# Altium PCB 控制盒基板.PcbDoc (part 7 of 8) (continued)
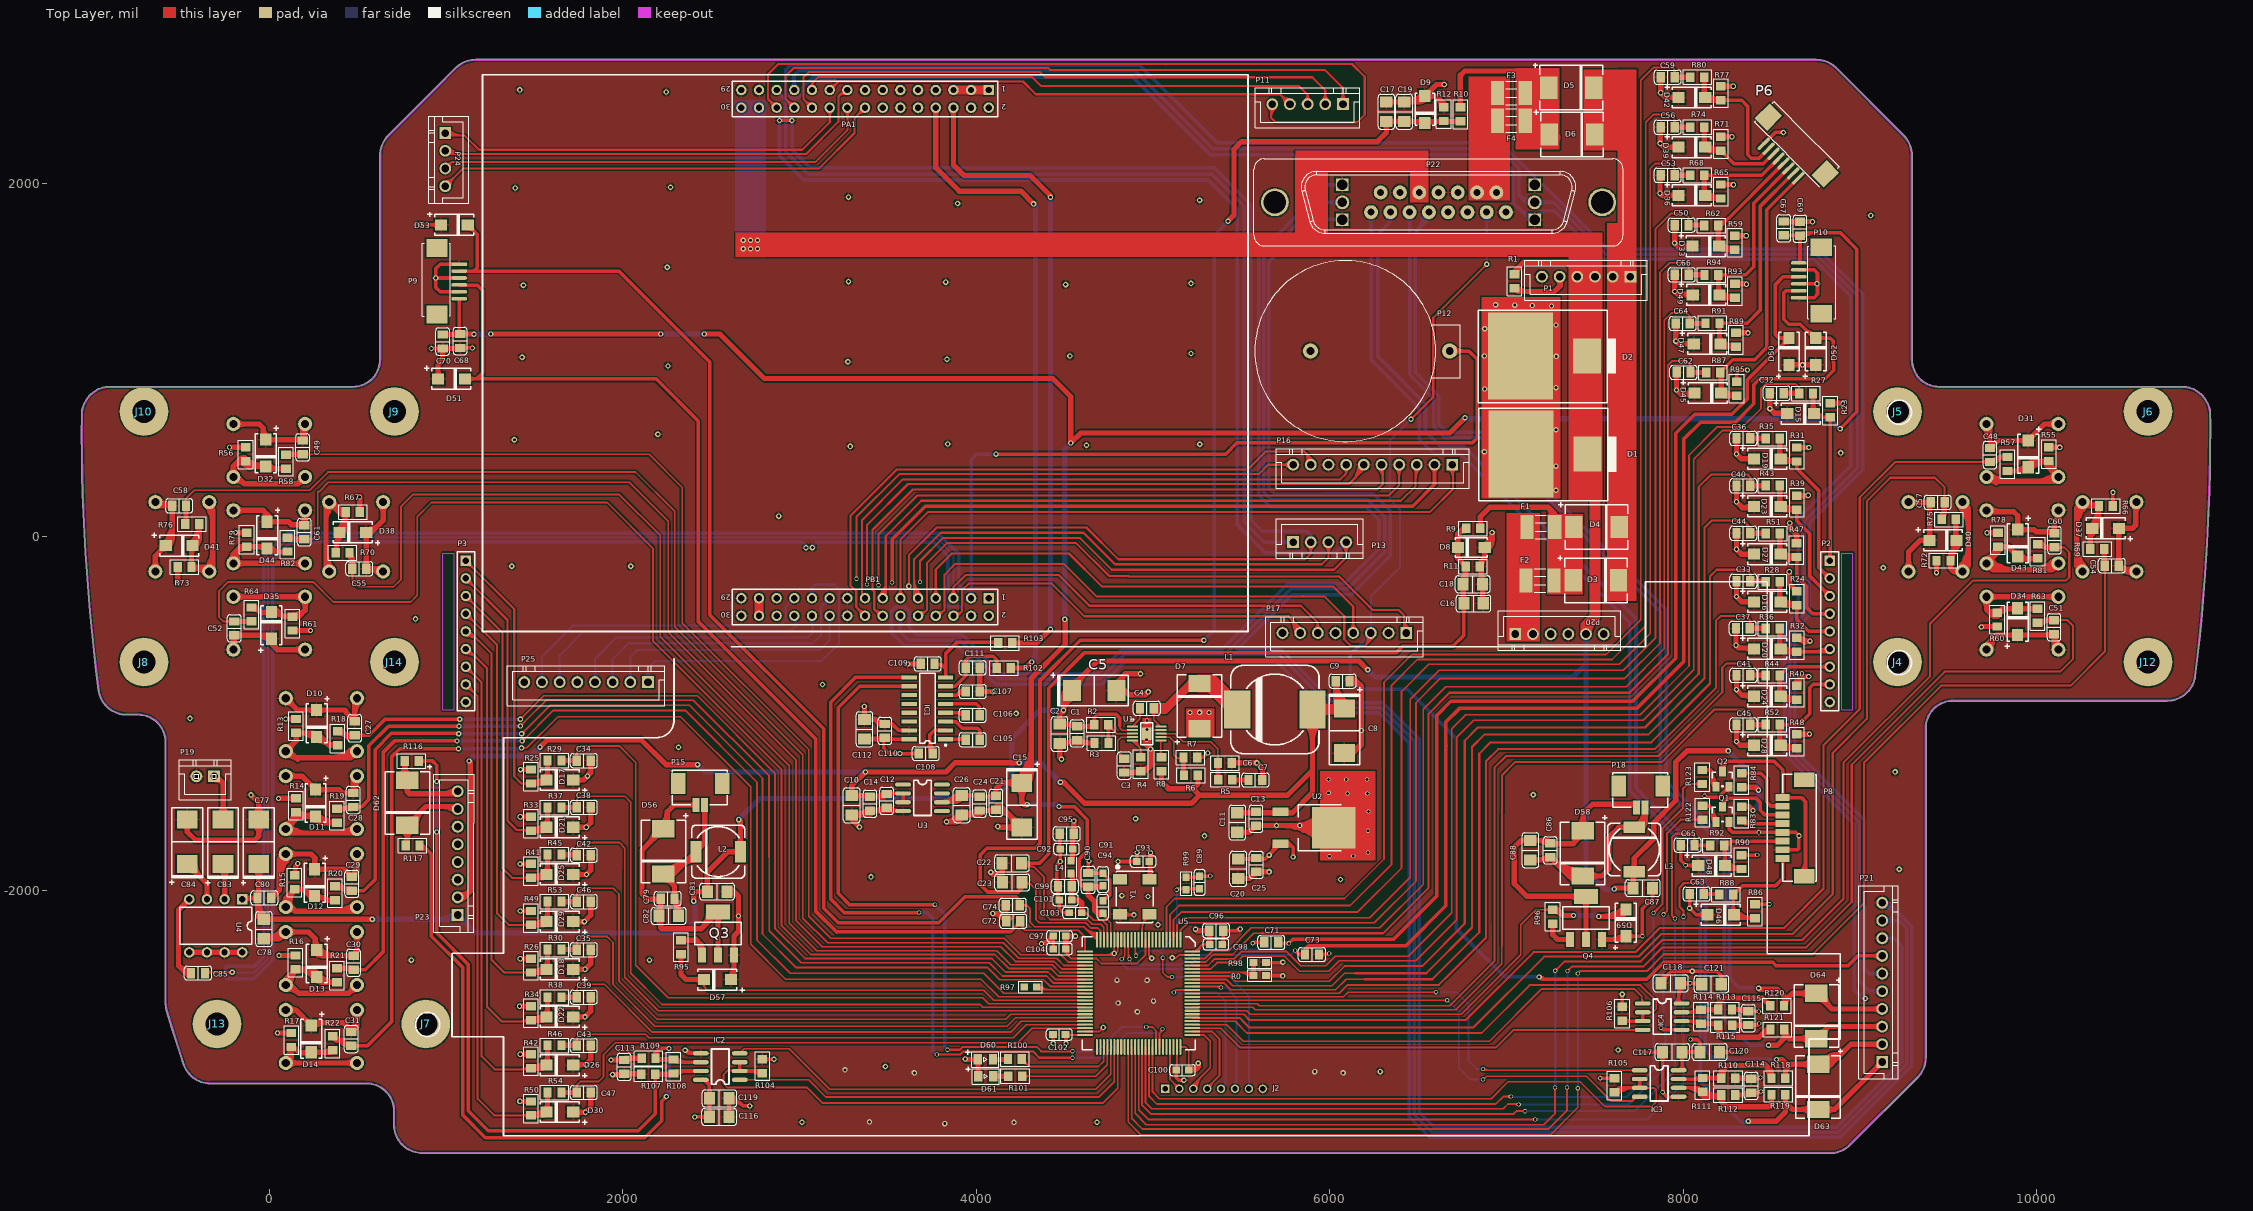
[diagram p0: Top Layer view]
## Nets (pads, with @x,y where several pads share a name; then routed paths per layer and width w, separated by ;. In a path a pad name is that pad's centre, name@x,y a point inside that pad or via, vN(x,y) a via of type N, cw(c..) or ccw(c..) an arc to the next point about the centre after c; other vN are vias at no path point) (continued)
; C23.1@4137.22,-1939.4 ccw(c4113.89,-1916.07) 4146.88,-1916.07 ; C23.1@4137.22,-1939.4 ccw(c4113.89,-1916.07) 4146.88,-1916.07 ; C23.1@4137.22,-1939.4 ccw(c4113.89,-1916.07) 4146.88,-1916.07 ; C23.1@4137.22,-1939.4 ccw(c4113.89,-1916.07) 4146.88,-1916.07 ; 4146.88,-1909 ccw(c4187.46,-1909) C23.1@4160.03,-1938.91 ; 4146.88,-1909 ccw(c4187.46,-1909) C23.1@4160.03,-1938.91 ; 4146.88,-1909 ccw(c4187.46,-1909) C23.1@4160.03,-1938.91 ; 4146.88,-1909 ccw(c4187.46,-1909) C23.1@4160.03,-1938.91 ; 4146.88,-1890.76 ccw(c4107.06,-1890.76) 4135.22,-1862.6 cw(c4107.06,-1890.76) 4146.88,-1890.76 ; 4146.88,-1890.76 cw(c4186.71,-1890.76) 4158.55,-1862.6 ccw(c4186.71,-1890.76) 4146.88,-1890.76 ; 4162.78,-1643.98 ccw(c4162.78,-1556.64) 4224.54,-1618.4 cw(c4162.78,-1556.64) 4162.78,-1643.98 ; 4162.78,-1643.98 cw(c4162.78,-1731.33) 4224.54,-1669.57 ccw(c4162.78,-1731.33) 4162.78,-1643.98 ; 4167.63,-2141.04 ccw(c4198.69,-2141.04) C72.2@4176.73,-2163 ; 4167.63,-2141.04 ccw(c4198.69,-2141.04) C72.2@4176.73,-2163 ; 4167.63,-2141.04 ccw(c4198.69,-2141.04) C72.2@4176.73,-2163 ; 4167.63,-2141.04 ccw(c4198.69,-2141.04) C72.2@4176.73,-2163 ; 4167.63,-2141.04 ccw(c4198.69,-2141.04) C72.2@4176.73,-2163 ; 4167.63,-2141.04 ccw(c4198.69,-2141.04) C72.2@4176.73,-2163 ; 4472,-1209.94 ccw(c4432.18,-1209.94) 4460.34,-1181.78 cw(c4432.18,-1209.94) 4472,-1209.94 ; 4472,-1209.94 cw(c4511.83,-1209.94) 4483.67,-1181.78 ccw(c4511.83,-1209.94) 4472,-1209.94 ; v1(4483,-1258) cw(c4509.55,-1231.45) 4472,-1231.45 ccw(c4509.55,-1231.45) v1(4483,-1258) ; 4844,-775 ccw(c4894.48,-825.48) 4827.12,-849.14 cw(c4894.48,-825.48) 4844,-775 ; 4844,-775 4792.98,-826.02 C5.2@4792.98,-869 4842,-869 4867,-894 4956,-894 v1(4973,-877) ; v2@4964,-1152.59 ccw(c4931.3,-1152.59) 4954.42,-1129.47 cw(c4931.3,-1152.59) v2@4964,-1152.59 ; v2@4964,-1152.59 cw(c4996.7,-1152.59) 4973.58,-1129.47 ccw(c4996.7,-1152.59) v2@4964,-1152.59 ; v1(4973,-877) cw(c4931.96,-835.96) 4931.96,-894 ccw(c4931.96,-835.96) v1(4973,-877) ; 4984.98,-1296.02 cw(c4934.94,-1245.98) 4934.94,-1316.75 ccw(c4934.94,-1245.98) 4984.98,-1296.02 ; 5521.76,-1671.12 ccw(c5521.76,-1710.94) 5493.6,-1682.78 cw(c5521.76,-1710.94) 5521.76,-1671.12 ; 5521.76,-1671.12 cw(c5521.76,-1631.29) 5493.6,-1659.45 ccw(c5521.76,-1631.29) 5521.76,-1671.12 ; 5526.76,-1933.12 ccw(c5526.76,-1972.94) 5498.6,-1944.78 cw(c5526.76,-1972.94) 5526.76,-1933.12 ; 5526.76,-1933.12 cw(c5526.76,-1893.29) 5498.6,-1921.45 ccw(c5526.76,-1893.29) 5526.76,-1933.12 ; v1(5831,-1633.72) ccw(c5877.35,-1618.28) 5855.49,-1661.97 cw(c5877.35,-1618.28) v1(5831,-1633.72) ; v1(5831,-1633.72) cw(c5803.78,-1597.04) 5797.09,-1642.22 ccw(c5803.78,-1597.04) v1(5831,-1633.72) ; 6179,-1177 cw(c6132.07,-1130.07) 6105.41,-1190.85 ccw(c6132.07,-1130.07) 6179,-1177 ; 6179,-1177 6179,-845 ; 6364.76,2460.31 ccw(c6364.76,2420.48) 6336.6,2448.64 cw(c6364.76,2420.48) 6364.76,2460.31 ; 6364.76,2460.31 cw(c6364.76,2500.13) 6336.6,2471.97 ccw(c6364.76,2500.13) 6364.76,2460.31 ; 6378.24,2460.31 ccw(c6378.24,2500.13) 6406.4,2471.97 cw(c6378.24,2500.13) 6378.24,2460.31 ; 6378.24,2460.31 cw(c6378.24,2420.48) 6406.4,2448.64 ccw(c6378.24,2420.48) 6378.24,2460.31 ; 6465.76,2460.31 ccw(c6465.76,2420.48) 6437.6,2448.64 cw(c6465.76,2420.48) 6465.76,2460.31 ; 6465.76,2460.31 cw(c6465.76,2500.13) 6437.6,2471.97 ccw(c6465.76,2500.13) 6465.76,2460.31 ; 6858,-140 cw(c6841.22,-140) 6846.6,-155.9 ccw(c6841.22,-140) 6858,-140 ; 6858,-140 6876.79,-121.21 D8.1@6876.79,-60 6919,-17.79 v1(6919,24) ; 6865.12,-311.76 ccw(c6825.29,-311.76) 6853.45,-283.6 cw(c6825.29,-311.76) 6865.12,-311.76 ; 6865.12,-311.76 cw(c6904.94,-311.76) 6876.78,-283.6 ccw(c6904.94,-311.76) 6865.12,-311.76 ; 6876.79,-99.82 ccw(c6836.96,-99.82) 6865.12,-71.66 cw(c6836.96,-99.82) 6876.79,-99.82 ; 6876.79,-99.82 cw(c6916.61,-99.82) 6888.45,-71.66 ccw(c6916.61,-99.82) 6876.79,-99.82 ; v1(6919,24) cw(c6844.35,24) 6873.34,-44.8 ccw(c6844.35,24) v1(6919,24) ; v3(7869,1944) ccw(c7897.97,1972.97) 7897.97,1932 cw(c7897.97,1972.97) v3(7869,1944) ; v3(7870,2226) ccw(c7920.7,2276.7) 7920.7,2205 cw(c7920.7,2276.7) v3(7870,2226) ; 7930.91,1932 ccw(c7930.91,1971.82) 7959.07,1943.66 cw(c7930.91,1971.82) 7930.91,1932 ; 7930.91,1932 cw(c7930.91,1892.17) 7959.07,1920.34 ccw(c7930.91,1892.17) 7930.91,1932 ; 7930.91,2205 ccw(c7930.91,2244.82) 7959.07,2216.66 cw(c7930.91,2244.82) 7930.91,2205 ; 7930.91,2205 cw(c7930.91,2165.17) 7959.07,2193.34 ccw(c7930.91,2165.17) 7930.91,2205 ; 7930.91,2486 ccw(c7930.91,2525.82) 7959.07,2497.66 cw(c7930.91,2525.82) 7930.91,2486 ; 7930.91,2486 cw(c7930.91,2446.17) 7959.07,2474.34 ccw(c7930.91,2446.17) 7930.91,2486 ; v3(7952.63,1388.37) ccw(c7992.15,1427.89) 7992.15,1372 cw(c7992.15,1427.89) v3(7952.63,1388.37) ; v3(7958.63,1107.37) ccw(c7995.74,1144.48) 7995.74,1092 cw(c7995.74,1144.48) v3(7958.63,1107.37) ; 8016.91,1092 ccw(c8016.91,1131.82) 8045.07,1103.66 cw(c8016.91,1131.82) 8016.91,1092 ; 8016.91,1092 cw(c8016.91,1052.17) 8045.07,1080.34 ccw(c8016.91,1052.17) 8016.91,1092 ; v3(8298.63,-613.63) ccw(c8335.74,-576.52) 8335.74,-629 cw(c8335.74,-576.52) v3(8298.63,-613.63) ; 8357.43,-1179 ccw(c8357.43,-1139.18) 8385.6,-1167.34 cw(c8357.43,-1139.18) 8357.43,-1179 ; 8357.43,-1179 cw(c8357.43,-1218.83) 8385.6,-1190.66 ccw(c8357.43,-1218.83) 8357.43,-1179 ; 8357.43,-368 ccw(c8357.43,-328.18) 8385.6,-356.34 cw(c8357.43,-328.18) 8357.43,-368 ; 8357.43,-368 cw(c8357.43,-407.83) 8385.6,-379.66 ccw(c8357.43,-407.83) 8357.43,-368 ; 8357.43,-98 ccw(c8357.43,-58.18) 8385.6,-86.34 cw(c8357.43,-58.18) 8357.43,-98 ; 8357.43,-98 cw(c8357.43,-137.83) 8385.6,-109.66 ccw(c8357.43,-137.83) 8357.43,-98 ; 8357.43,441 ccw(c8357.43,480.82) 8385.6,452.66 cw(c8357.43,480.82) 8357.43,441 ; 8357.43,441 cw(c8357.43,401.17) 8385.6,429.34 ccw(c8357.43,401.17) 8357.43,441 ; 8638.16,972.87 ccw(c8638.16,933.05) 8610,961.21 cw(c8638.16,933.05) 8638.16,972.87 ; 8638.16,972.87 cw(c8638.16,1012.7) 8610,984.54 ccw(c8638.16,1012.7) 8638.16,972.87 ; 8710.51,972.87 ccw(c8710.51,1012.7) 8738.67,984.54 cw(c8710.51,1012.7) 8710.51,972.87 ; 8710.51,972.87 cw(c8710.51,933.05) 8738.67,961.21 ccw(c8710.51,933.05) 8710.51,972.87 ; 9275.24,-136.1 ccw(c9335.59,-136.1) 9292.91,-178.78 cw(c9335.59,-136.1) 9275.24,-136.1 ; 9275.24,-136.1 cw(c9214.88,-136.1) 9257.56,-178.78 ccw(c9214.88,-136.1) 9275.24,-136.1 ; 9335.59,196.46 ccw(c9335.59,136.1) 9292.91,178.78 cw(c9335.59,136.1) 9335.59,196.46 ; 9335.59,196.46 cw(c9335.59,256.81) 9292.91,214.13 ccw(c9335.59,256.81) 9335.59,196.46 ; 9351.43,-20 ccw(c9351.43,19.82) 9379.6,-8.34 cw(c9351.43,19.82) 9351.43,-20 ; 9351.43,-20 cw(c9351.43,-59.83) 9379.6,-31.66 ccw(c9351.43,-59.83) 9351.43,-20 ; 9394.21,19.82 ccw(c9434.04,19.82) 9405.88,-8.34 cw(c9434.04,19.82) 9394.21,19.82 ; 9394.21,19.82 cw(c9354.39,19.82) 9382.55,-8.34 ccw(c9354.39,19.82) 9394.21,19.82 ; 9773.21,-555.79 ccw(c9849.88,-632.46) 9741.55,-637.12 cw(c9849.88,-632.46) 9773.21,-555.79 ; 9852.17,-555.79 ccw(c9852.17,-515.96) 9880.34,-544.12 cw(c9852.17,-515.96) 9852.17,-555.79 ; 9852.17,-555.79 cw(c9852.17,-595.61) 9880.34,-567.45 ccw(c9852.17,-595.61) 9852.17,-555.79 ; 9893,83.57 ccw(c9932.83,83.57) 9904.67,55.4 cw(c9932.83,83.57) 9893,83.57 ; 9893,83.57 cw(c9853.18,83.57) 9881.34,55.4 ccw(c9853.18,83.57) 9893,83.57 ; 9912.18,544.79 ccw(c9912.18,584.61) 9940.34,556.45 cw(c9912.18,584.61) 9912.18,544.79 ; 9912.18,544.79 cw(c9912.18,504.96) 9940.34,533.12 ccw(c9912.18,504.96) 9912.18,544.79 ; 9931.82,-555.79 ccw(c9931.82,-595.61) 9903.66,-567.45 cw(c9931.82,-595.61) 9931.82,-555.79 ; 9931.82,-555.79 cw(c9931.82,-515.96) 9903.66,-544.12 ccw(c9931.82,-515.96) 9931.82,-555.79 ; 9932.83,40.79 ccw(c9932.83,0.96) 9904.67,29.12 cw(c9932.83,0.96) 9932.83,40.79 ; 9932.83,40.79 cw(c9932.83,80.61) 9904.67,52.45 ccw(c9932.83,80.61) 9932.83,40.79 ; 10062.13,638.19 ccw(c10062.13,698.54) 10104.8,655.87 cw(c10062.13,698.54) 10062.13,638.19 ; 10062.13,638.19 cw(c10062.13,577.83) 10104.8,620.51 ccw(c10062.13,577.83) 10062.13,638.19 ; C60.2@10099,21.37 10099,71 10122.48,94.48 ; 10122.48,94.48 ccw(c10073.34,94.48) 10105.91,131.28 cw(c10073.34,94.48) 10122.48,94.48 ; 10122.48,94.48 cw(c10171.62,94.48) 10139.05,131.28 ccw(c10171.62,94.48) 10122.48,94.48 ; 10503.46,-196.46 ccw(c10503.46,-136.1) 10546.14,-178.78 cw(c10503.46,-136.1) 10503.46,-196.46 ; 10503.46,-196.46 cw(c10503.46,-256.81) 10546.14,-214.13 ccw(c10503.46,-256.81) 10503.46,-196.46 ; 10508.56,48 ccw(c10508.56,8.17) 10480.4,36.34 cw(c10508.56,8.17) 10508.56,48 ; 10508.56,48 cw(c10508.56,87.82) 10480.4,59.66 ccw(c10508.56,87.82) 10508.56,48 ; -618.99,-83.2 ccw(c-652.19,-50) -605.24,-50 cw(c-652.19,-50) -618.99,-83.2 ; D41.1@-611.86,-76.07 cw(c-588.74,-99.19) -588.74,-66.5 ccw(c-588.74,-99.19) D41.1@-611.86,-76.07 ; D41.1@-594.5,-38.34 ccw(c-703.45,70.61) -549.37,70.61 cw(c-703.45,70.61) D41.1@-594.5,-38.34 ; D41.1@-582.83,-33.5 ccw(c-582.83,-0.81) -559.71,-23.93 cw(c-582.83,-0.81) D41.1@-582.83,-33.5 ; D41.1@-573.29,-59.55 ccw(c-631.02,-1.81) -549.37,-1.81 cw(c-631.02,-1.81) D41.1@-573.29,-59.55 ; D41.1@-566.34,-50 cw(c-519.39,-50) -552.59,-16.8 ccw(c-519.39,-50) D41.1@-566.34,-50 ; S2.3@-220.63,-620.51 ccw(c-275.27,-565.87) -198,-565.87 cw(c-275.27,-565.87) S2.3@-220.63,-620.51 ; -198,-589.79 ccw(c-154.56,-589.79) -185.28,-620.51 cw(c-154.56,-589.79) -198,-589.79 ; -67.57,-557.37 cw(c-67.57,-653.41) 0.34,-585.5 ccw(c-67.57,-653.41) -67.57,-557.37 ; C78.1@-30,-2274.12 ccw(c-29.99,-2146.6) 73.43,-2221.2 cw(c-29.99,-2146.6) C78.1@-30,-2274.12 ; C80.1@12.37,-2028.47 ccw(c12.37,-1993.4) 37.17,-2018.2 cw(c12.37,-1993.4) C80.1@12.37,-2028.47 ; 28.64,-2274.12 ccw(c28.64,-2188.89) 97.76,-2238.75 cw(c28.64,-2188.89) 28.64,-2274.12 ; 56,-1873.83 cw(c172.65,-1873.83) 90.17,-1791.35 ccw(c172.65,-1873.83) 56,-1873.83 ; 151.61,549.79 cw(c151.61,513.89) 177,539.27 ccw(c151.61,513.89) 151.61,549.79 ; 162.52,69 cw(c162.52,35.79) 186,59.27 ccw(c162.52,35.79) 162.52,69 ; S2.9@185.27,132.32 cw(c154.55,101.6) 198,101.6 ccw(c154.55,101.6) S2.9@185.27,132.32 ; C49.2@189,544.33 cw(c296.56,544.33) 220.61,620.49 ccw(c296.56,544.33) C49.2@189,544.33 ; C61.2@198,77.69 cw(c275.26,77.69) 220.63,132.32 ccw(c275.26,77.69) C61.2@198,77.69 ; 204.8,-2731.01 ccw(c238,-2697.81) 238,-2744.76 cw(c238,-2697.81) 204.8,-2731.01 ; D14.1@211.93,-2738.14 cw(c188.81,-2761.26) 221.5,-2761.26 ccw(c188.81,-2761.26) D14.1@211.93,-2738.14 ; 228.8,-1397.01 ccw(c262,-1363.81) 262,-1410.76 cw(c262,-1363.81) 228.8,-1397.01 ; D11.1@235.93,-1404.14 cw(c212.81,-1427.26) 245.5,-1427.26 ccw(c212.81,-1427.26) D11.1@235.93,-1404.14 ; D14.1@249.67,-2772.92 cw(c305.01,-2828.27) 305.01,-2750 ccw(c305.01,-2828.27) D14.1@249.67,-2772.92 ; D13.1@259.45,-2350.71 ccw(c307.53,-2302.63) 307.53,-2370.63 cw(c307.53,-2302.63) D13.1@259.45,-2350.71 ; 260,-2273.71 ccw(c330.55,-2273.71) 280.67,-2323.6 cw(c330.55,-2273.71) 260,-2273.71 ; D13.1@280.67,-2329.5 ccw(c379.96,-2230.2) 379.96,-2370.63 cw(c379.96,-2230.2) D13.1@280.67,-2329.5 ; D13.1@285.5,-2341.17 ccw(c318.19,-2341.17) 295.07,-2364.28 cw(c318.19,-2341.17) D13.1@285.5,-2341.17 ; 431.68,-2758.68 cw(c388.74,-2801.63) 449.47,-2801.63 ccw(c388.74,-2801.63) 431.68,-2758.68 ; 443.2,-1898.83 cw(c418.4,-1923.63) 453.47,-1923.63 ccw(c418.4,-1923.63) 443.2,-1898.83 ; 459.2,-1018.83 cw(c434.4,-1043.63) 469.47,-1043.63 ccw(c434.4,-1043.63) 459.2,-1018.83 ; C31.2@463.81,-2795.53 ccw(c384.04,-2715.77) 496.85,-2715.77 cw(c384.04,-2715.77) C31.2@463.81,-2795.53 ; C29.2@467.81,-1917.53 ccw(c397.7,-1847.42) 496.85,-1847.42 cw(c397.7,-1847.42) C29.2@467.81,-1917.53 ; C28.2@475,-1452.09 cw(c576.24,-1452.09) 512.57,-1373.38 ccw(c576.24,-1452.09) C28.2@475,-1452.09 ; 475,-1389.24 cw(c525.4,-1389.24) 493.71,-1350.05 ccw(c525.4,-1389.24) 475,-1389.24 ; K_H5.1@475.92,-2690.44 cw(c408.49,-2734.44) 486.26,-2755.28 ccw(c408.49,-2734.44) K_H5.1@475.92,-2690.44 ; C30.2@476.81,-2364.53 ccw(c428.43,-2316.15) 496.85,-2316.15 cw(c428.43,-2316.15) C30.2@476.81,-2364.53 ; C31.2@478.53,-2801.63 cw(c513.6,-2801.63) 488.8,-2776.83 ccw(c513.6,-2801.63) C31.2@478.53,-2801.63 ; C29.2@482.53,-1923.63 cw(c517.6,-1923.63) 492.8,-1898.83 ccw(c517.6,-1923.63) C29.2@482.53,-1923.63 ; 484,-1004.37 cw(c588.23,-1004.37) 514.53,-930.67 ccw(c588.23,-1004.37) 484,-1004.37 ; D38.1@551.74,41.5 ccw(c551.74,139.89) 621.31,70.31 cw(c551.74,139.89) D38.1@551.74,41.5 ; D51.1@943.55,905.66 ccw(c915.9,933.31) 955,933.31 cw(c915.9,933.31) D51.1@943.55,905.66 ; 955,934.34 ccw(c995.55,934.34) 966.88,905.66 cw(c995.55,934.34) 955,934.34 ; 1046.04,1065.63 ccw(c1046.04,1096.69) 1068,1074.73 cw(c1046.04,1096.69) 1046.04,1065.63 ; D30.1@1734.93,-3265.66 cw(c1758.26,-3289) 1758.26,-3256 ccw(c1758.26,-3289) D30.1@1734.93,-3265.66 ; D30.1@1734.93,-3242.34 ccw(c1767.92,-3209.35) 1767.92,-3256 cw(c1767.92,-3209.35) D30.1@1734.93,-3242.34 ; D26.1@1734.93,-3000.66 cw(c1770.34,-3036.07) 1770.34,-2986 ccw(c1770.34,-3036.07) D26.1@1734.93,-3000.66 ; D26.1@1734.93,-2977.34 ccw(c1755.85,-2956.42) 1755.85,-2986 cw(c1755.85,-2956.42) D26.1@1734.93,-2977.34 ; v3(1800.97,-1354.03) ccw(c1756.53,-1309.6) 1819.37,-1309.6 cw(c1756.53,-1309.6) v3(1800.97,-1354.03) ; 1970.14,-3043 ccw(c1970.14,-3006.38) 1996.04,-3032.27 cw(c1970.14,-3006.38) 1970.14,-3043 ; 2080.92,-3038.37 cw(c2080.92,-3064.75) 2099.57,-3046.1 ccw(c2080.92,-3064.75) 2080.92,-3038.37 ; D57.1@2603.07,-2493.34 ccw(c2539.16,-2429.42) 2629.55,-2429.42 cw(c2539.16,-2429.42) D57.1@2603.07,-2493.34 ; C10.1@3312.49,-1574.12 ccw(c3312.49,-1468.81) 3386.96,-1543.27 cw(c3312.49,-1468.81) C10.1@3312.49,-1574.12 ; C112.1@3383.6,-1045.55 cw(c3416.31,-1078.25) 3416.31,-1032 ccw(c3416.31,-1078.25) C112.1@3383.6,-1045.55 ; C112.1@3383.6,-1022.22 ccw(c3407.22,-998.6) 3407.22,-1032 cw(c3407.22,-998.6) C112.1@3383.6,-1022.22 ; 3384.92,-1574.12 ccw(c3384.92,-1541.23) 3408.17,-1564.49 cw(c3384.92,-1541.23) 3384.92,-1574.12 ; C14.1@3427.61,-1549.37 ccw(c3427.61,-1473.93) 3480.96,-1527.27 cw(c3427.61,-1473.93) C14.1@3427.61,-1549.37 ; 3876.46,-1612 ccw(c3876.46,-1557.95) 3926.59,-1578.17 cw(c3876.46,-1557.95) 3876.46,-1612 ; 3883.12,-1608 ccw(c3848.24,-1573.12) 3897.57,-1573.12 cw(c3848.24,-1573.12) 3883.12,-1608 ; C26.1@3892.62,-1598.49 cw(c3914.06,-1619.93) 3914.06,-1589.61 ccw(c3914.06,-1619.93) C26.1@3892.62,-1598.49 ; C26.1@3932.49,-1573.12 ccw(c3932.49,-1467.81) 4006.96,-1542.27 cw(c3932.49,-1467.81) C26.1@3932.49,-1573.12 ; 4004.92,-1573.12 ccw(c4004.92,-1540.24) 4028.17,-1563.49 cw(c4004.92,-1540.24) 4004.92,-1573.12 ; 4073.17,-1548.37 ccw(c4073.17,-1510.48) 4099.96,-1537.27 cw(c4073.17,-1510.48) 4073.17,-1548.37 ; C21.1@4117.87,-1551.99 cw(c4117.87,-1668.22) 4200.05,-1586.03 ccw(c4117.87,-1668.22) C21.1@4117.87,-1551.99 ; C21.1@4117.87,-1521.99 cw(c4117.87,-1565.79) 4148.84,-1534.82 ccw(c4117.87,-1565.79) C21.1@4117.87,-1521.99 ; C21.1@4123.96,-1549.47 cw(c4143.51,-1569.01) 4143.51,-1541.37 ccw(c4143.51,-1569.01) C21.1@4123.96,-1549.47 ; 4144.63,-2132 cw(c4144.63,-2182.74) 4189.56,-2159.16 ccw(c4144.63,-2182.74) 4144.63,-2132 ; 4146.88,-1906.41 ccw(c4193.54,-1906.41) 4160.55,-1939.4 cw(c4193.54,-1906.41) 4146.88,-1906.41 ; 4182.79,-1568.78 cw(c4107.59,-1643.98) 4213.95,-1643.98 ccw(c4107.59,-1643.98) 4182.79,-1568.78 ; 4201.8,-1587.79 ccw(c4250.13,-1539.46) 4250.13,-1607.8 cw(c4250.13,-1539.46) 4201.8,-1587.79 ; C2.1@4487.6,-1181.78 cw(c4525.7,-1219.88) 4525.7,-1166 ccw(c4525.7,-1219.88) C2.1@4487.6,-1181.78 ; 4508.96,-1166 ccw(c4508.96,-1095.24) 4559,-1145.27 cw(c4508.96,-1095.24) 4508.96,-1166 ; C1.1@4583,-1145.27 ccw(c4633.04,-1095.24) 4633.04,-1166 cw(c4633.04,-1095.24) C1.1@4583,-1145.27 ; C5.2@4798.82,-859.08 cw(c4844.57,-843.01) 4810.28,-808.72 ccw(c4844.57,-843.01) C5.2@4798.82,-859.08 ; 4886.93,-1333.37 ccw(c4886.93,-1285.24) 4920.97,-1319.27 cw(c4886.93,-1285.24) 4886.93,-1333.37 ; 5558.2,-1658.52 ccw(c5533.4,-1633.72) 5568.47,-1633.72 cw(c5533.4,-1633.72) 5558.2,-1658.52 ; 5560.2,-1920.52 ccw(c5535.4,-1895.72) 5570.47,-1895.72 cw(c5535.4,-1895.72) 5560.2,-1920.52 ; 5739.67,-1633.72 cw(c5739.67,-1924.59) 5945.35,-1718.91 ccw(c5739.67,-1924.59) 5739.67,-1633.72 ; 5798.99,-1633.72 ccw(c5798.99,-1426.73) 5945.35,-1573.09 cw(c5798.99,-1426.73) 5798.99,-1633.72 ; 5812.1,-1633.72 cw(c5812.1,-1852.16) 5966.56,-1697.7 ccw(c5812.1,-1852.16) 5812.1,-1633.72 ; 5871.41,-1633.72 ccw(c5871.41,-1499.15) 5966.56,-1594.3 cw(c5871.41,-1499.15) 5871.41,-1633.72 ; 5884.53,-1633.72 cw(c5884.53,-1779.74) 5987.78,-1676.48 ccw(c5884.53,-1779.74) 5884.53,-1633.72 ; C8.2@6093.36,-1218.32 ccw(c6113.14,-1173.24) 6147.95,-1208.05 cw(c6113.14,-1173.24) C8.2@6093.36,-1218.32 ; C19.1@6424.48,2460.31 ccw(c6424.48,2604.36) 6526.34,2502.5 cw(c6424.48,2604.36) C19.1@6424.48,2460.31 ; C19.1@6434.19,2474.59 ccw(c6453.45,2507.96) 6463.42,2470.74 cw(c6453.45,2507.96) C19.1@6434.19,2474.59 ; C19.1@6440.22,2452.06 cw(c6475.83,2431.5) 6465.19,2471.22 ccw(c6475.83,2431.5) C19.1@6440.22,2452.06 ; 6496.9,2460.31 ccw(c6496.9,2531.93) 6547.55,2481.29 cw(c6496.9,2531.93) 6496.9,2460.31 ; 6504.8,2460.59 cw(c6538,2427.39) 6538,2474.34 ccw(c6538,2427.39) 6504.8,2460.59 ; D9.1@6511.93,2467.72 ccw(c6488.81,2490.83) 6521.5,2490.83 cw(c6488.81,2490.83) D9.1@6511.93,2467.72 ; D9.1@6538,2513.24 ccw(c6538,2560.19) 6571.2,2526.99 cw(c6538,2560.19) D9.1@6538,2513.24 ; D9.1@6549.67,2479.17 cw(c6578.22,2450.61) 6578.22,2491 ccw(c6578.22,2450.61) D9.1@6549.67,2479.17 ; D9.1@6549.67,2502.5 ccw(c6577.43,2530.26) 6577.43,2491 cw(c6577.43,2530.26) D9.1@6549.67,2502.5 ; D9.1@6554.5,2496.74 cw(c6587.19,2496.74) 6564.07,2519.86 ccw(c6587.19,2496.74) D9.1@6554.5,2496.74 ; 6608.27,2489.73 cw(c6549.9,2431.37) 6632.44,2431.37 ccw(c6549.9,2431.37) 6608.27,2489.73 ; R11.2@6843.27,-178.03 cw(c6807.72,-213.59) 6858,-213.59 ccw(c6807.72,-213.59) R11.2@6843.27,-178.03 ; 6858,-207.05 ccw(c6922.13,-207.05) 6876.78,-252.4 cw(c6922.13,-207.05) 6858,-207.05 ; R11.2@6857.99,-164.06 cw(c6916.07,-164.06) 6875,-123 ccw(c6916.07,-164.06) R11.2@6857.99,-164.06 ; 6865.12,-323.58 ccw(c6918.6,-323.58) 6880.78,-361.4 cw(c6918.6,-323.58) 6865.12,-323.58 ; D8.1@6879.74,-43.5 ccw(c6879.74,-10.81) 6902.86,-33.93 cw(c6879.74,-10.81) D8.1@6879.74,-43.5 ; D8.1@6884.98,-72.44 ccw(c6863.39,-21.2) 6919,-21.2 cw(c6863.39,-21.2) D8.1@6884.98,-72.44 ; D8.1@6896.24,-60 cw(c6943.19,-60) 6909.99,-26.8 ccw(c6943.19,-60) D8.1@6896.24,-60 ; 7599.22,-2278.05 ccw(c7599.22,-2185.96) 7664.34,-2251.07 cw(c7599.22,-2185.96) 7599.22,-2278.05 ; 7869,2010.51 cw(c7902.21,2010.51) 7878.73,2034 ccw(c7902.21,2010.51) 7869,2010.51 ; 7870,2284.93 cw(c7899.79,2284.93) 7878.73,2306 ccw(c7899.79,2284.93) 7870,2284.93 ; 7995.42,1639 ccw(c7995.42,1699.31) 8038.07,1656.66 cw(c7995.42,1699.31) 7995.42,1639 ; 8003.66,1372 cw(c8003.66,1321.93) 8039.07,1357.34 ccw(c8003.66,1321.93) 8003.66,1372 ; 8004.01,807 ccw(c8004.01,870.72) 8049.07,825.66 cw(c8004.01,870.72) 8004.01,807 ; 8018.15,1372 ccw(c8018.15,1401.58) 8039.07,1380.66 cw(c8018.15,1401.58) 8018.15,1372 ; 8319.03,-2674 cw(c8319.03,-2727.69) 8357,-2689.73 ccw(c8319.03,-2727.69) 8319.03,-2674 ; 8340.54,165 ccw(c8340.54,228.72) 8385.6,183.66 cw(c8340.54,228.72) 8340.54,165 ; 8345.36,-897 cw(c8345.36,-953.9) 8385.6,-913.66 ccw(c8345.36,-953.9) 8345.36,-897 ; 8345.36,-629 cw(c8345.36,-685.9) 8385.6,-645.66 ccw(c8345.36,-685.9) 8345.36,-629 ; 8349.52,-3063 cw(c8349.52,-3096.21) 8373,-3072.73 ccw(c8349.52,-3096.21) 8349.52,-3063 ; 8539.19,700 cw(c8539.19,649.93) 8574.6,685.34 ccw(c8539.19,649.93) 8539.19,700 ; 8553.68,700 ccw(c8553.68,729.58) 8574.6,708.66 cw(c8553.68,729.58) 8553.68,700 ; C67.2@8581.34,1790.5 ccw(c8600.07,1809.22) 8600.07,1782.74 cw(c8600.07,1809.22) C67.2@8581.34,1790.5 ; 8630.27,1784.4 cw(c8630.27,1757.92) 8649,1776.64 ccw(c8630.27,1757.92) 8630.27,1784.4 ; C69.2@8673,1776.64 cw(c8691.73,1757.92) 8691.73,1784.4 ccw(c8691.73,1757.92) C69.2@8673,1776.64 ; 9376.3,196.46 cw(c9376.3,170.67) 9394.53,188.9 ccw(c9376.3,170.67) 9376.3,196.46 ; 9394.21,152.79 cw(c9436.93,152.79) 9406.73,183 ccw(c9436.93,152.79) 9394.21,152.79 ; S1.1@9698.9,620.51 cw(c9609.32,530.94) 9736,530.94 ccw(c9609.32,530.94) S1.1@9698.9,620.51 ; S1.9@9734.25,132.32 cw(c9757.62,108.96) 9757.62,142 ccw(c9757.62,108.96) S1.9@9734.25,132.32 ; S1.9@9734.25,167.68 ccw(c9796.24,229.67) 9796.24,142 cw(c9796.24,229.67) S1.9@9734.25,167.68 ; C48.2@9750.53,502.37 cw(c9777.47,502.37) 9758.42,521.42 ccw(c9777.47,502.37) C48.2@9750.53,502.37 ; D31.1@9952,564.24 ccw(c9952,611.19) 9985.2,577.99 cw(c9952,611.19) D31.1@9952,564.24 ; D31.1@9968.5,547.74 cw(c10001.19,547.74) 9978.07,570.86 ccw(c10001.19,547.74) D31.1@9968.5,547.74 ; 10053.44,28 cw(c10053.44,-22.28) 10089,13.27 ccw(c10053.44,-22.28) 10053.44,28 ; 10058.2,-555.79 ccw(c10058.2,-516.48) 10086,-544.27 cw(c10058.2,-516.48) 10058.2,-555.79 ; 10098,-603.62 ccw(c10143.42,-603.62) 10119.89,-642.47 cw(c10143.42,-603.62) 10098,-603.62 ; C51.2@10098,-550.37 ccw(c10175.66,-550.37) 10135.43,-616.8 cw(c10175.66,-550.37) C51.2@10098,-550.37 ; 10099,45.01 ccw(c10126.65,45.01) 10107.1,25.47 cw(c10126.65,45.01) 10099,45.01 ; D37.1@10454.12,36.34 cw(c10429.38,11.59) 10464.37,11.59 ccw(c10429.38,11.59) D37.1@10454.12,36.34 ; C54.2@10464.37,-177.53 cw(c10464.37,-212.6) 10489.17,-187.8 ccw(c10464.37,-212.6) C54.2@10464.37,-177.53 ; 10464.37,4.76 cw(c10509.03,4.76) 10477.45,36.34 ccw(c10509.03,4.76) 10464.37,4.76 ; C54.2@10470.47,-162.81 ccw(c10551.7,-81.58) 10551.7,-196.46 cw(c10551.7,-81.58) C54.2@10470.47,-162.81 ; 10499.51,-182.47 ccw(c10516.56,-118.86) 10550.81,-175.11 cw(c10516.56,-118.86) 10499.51,-182.47 ; 10512.02,-185.83 cw(c10499.17,-233.78) 10542.17,-208.96 ccw(c10499.17,-233.78) 10512.02,-185.83 ; S1.7@10546.14,178.78 cw(c10512.68,145.32) 10560,145.32 ccw(c10512.68,145.32) S1.7@10546.14,178.78 ; 10560,126.88 cw(c10633.39,126.88) 10581.5,178.78 ccw(c10633.39,126.88) 10560,126.88
  Bottom Layer w20: v1(2887,2356) 2887,2157 3025,2019 5312,2019 5478,1853 5478,67 5636,-91 6031.87,-91 P13.4@6092.87,-30 ; v1(2957,2356) 2958,2355 2958,2191 3062,2087 5346,2087 5554,1879 5554,97 5619,32 5870,32 ; 3020.69,-34.69 cw(c2993.37,-62) v1@3032,-62 ; v1(3037,-62) 3037,-51 3013,-27 124.94,-27 21,-130.94 21,-1465.64 20.63,-1466.01 20.63,-2392.31 -88.06,-2501 -236,-2501 -250,-2487 -250,-2484 -247,-2481 -247,-2434 -241.53,-2428.53 -83.47,-2428.53 -31,-2376.06 -31,-113 103,21 3783,21 3900,-96 3900,-271 3923.47,-294.47 3923.47,-387.53 3915,-396 3835,-396 3823,-384 3823,-293 3839,-277 3839,-106 3763,-30 3094,-30 3073,-51 v1(3073,-61) ; v1@3078,-61 cw(c3114.21,-61) 3088.61,-35.39 ; 3521,-513 3521,-529 ; P13.2@5873.86,-16.25 ccw(c5843.61,5.61) 5870,32 ; 5874.69,27.31 cw(c5833.77,-13.61) P13.2@5889.53,-29.07 ; P13.2@5881.82,-9.3 ccw(c5871.98,9.13) 5892.87,9.13 ; 5886.6,15.4 cw(c5862.88,-8.32) P13.2@5890.06,-27.97 ; P13.2@5892.87,-30 5892.87,9.13 ; 5898.94,3.06 cw(c5871.74,-24.14) P13.2@5908.81,-34.42 ; P13.2@5903.92,-9.3 cw(c5913.76,9.13) 5892.87,9.13 ; P22.19@6071.57,1794.24 6067.8,1798 5897,1798 5654,1555 5654,277 5689,242 5966,242 5968,244 6246,244 6342,148 6342,-108 6324,-126 6322,-126 6121,-327 5786.6,-327 5476.6,-637 5722.6,-637 6023.6,-938 6300.6,-938 6506,-1143.4 6506,-3255 6591,-3340 8867.4,-3340 9236,-2971.4 9236,-2316 9191,-2271 P21.8@9126,-2271 ; P22.19@6071.57,1991.09 5988.09,1991.09 5598,1601 5598,236 5663.5,170.5 6203.5,170.5 6277,97 6277,-71 6082,-266 5762,-266 5391,-637 4827.4,-637 4690.4,-774 4140,-774 3921,-555 3662,-555 3622,-515 3622,-424 3597.47,-399.47 3540.53,-399.47 3520,-420 3520,-528 3521,-529 ; 7101.12,1835.38 cw(c7079.12,1753.26) P22.17@7154.91,1791.77 ; P22.17@7134.74,1789.65 ccw(c7106.94,1784.56) 7114.25,1811.86 ccw(c7125.37,1853.36) P22.17@7146.97,1816.22 ; P22.17@7146.74,2012.94 ccw(c7133.09,2035.84) 7159.75,2035.84 ; P22.17@7172.77,2012.94 cw(c7186.42,2035.84) 7159.75,2035.84 ; P22.17@7180.03,1975.73 cw(c7210.91,1952.35) 7210.91,1991.09 ; P22.17@7180.03,2006.44 ccw(c7210.91,2029.82) 7210.91,1991.09 ; P22.17@7185.19,1794.24 cw(c7246.59,1794.24) 7203.17,1837.65 cw(c7159.75,1881.07) P22.17@7159.75,1819.67 ; 9008.33,-2601.19 cw(c9000.94,-2628.78) v1@9025.67,-2614.5 ; v1(9030,-2612) 9017,-2612 8969,-2564 8969,-1625.6 8574,-1230.6 8574,-504.4 8652,-426.4 8652,105 8948.7,401.7 8948.7,1361.7 8740.4,1570 7545,1570 7271,1844 7209.52,1844 P22.17@7159.75,1794.24 7134.76,1794.24 7040,1889 7040,2065 6942,2163 5324,2163 4888,2599 3074.79,2599 3018.53,2542.74 3018.53,2508.31 2990.69,2480.47 2951.31,2480.47 2923.47,2508.31 2923.47,2642.47 2949,2668 4924,2668 5362,2230 6965.6,2230 7159.75,2035.84 ; P21.6@9126,-2471 9051,-2471 9025,-2445 9025,-1602.4 8630,-1207.4 8630,-527.6 8712,-445.6 8712,76.4 9015,379.4 9015,1374.6 8763.6,1626 7573.6,1626 7232,1967.6 7232,1970 7210.91,1991.09 ; P21.10@9126,-2071 9159.6,-2071 ; P21.10@9129,-2069.27 ccw(c9203.26,-2026.39) 9181.07,-2109.22 ; P21.10@9137.73,-2091.32 cw(c9160.34,-2130.49) 9172.05,-2086.8 ; P21.10@9147.86,-2062.46 ccw(c9187.29,-2047.06) 9176.33,-2087.95 ; P21.10@9148.03,-2079.08 cw(c9159.6,-2083.32) 9159.6,-2071 ; P21.10@9148.03,-2062.92 ccw(c9159.6,-2058.68) 9159.6,-2071 ; 3521,-529 3521,-543 3595,-617 3891,-617 4107,-833 4713,-833 4842,-704 5698,-704 5990.3,-996.3 6279.7,-996.3 6450,-1166.6 6450,-3280.6 6566.4,-3397 8889.6,-3397 9292,-2994.6 9292,-2203.4 9159.6,-2071 ; 5870,32 5892.87,9.13 ; 6010.17,1991.09 ccw(c6010.17,2052.49) 6053.58,2009.07 cw(c6010.17,2052.49) 6010.17,1991.09 ; 6010.17,1991.09 cw(c6010.17,1929.68) 6053.58,1973.1 ccw(c6010.17,1929.68) 6010.17,1991.09 ; 6052.82,-70.06 ccw(c6012.76,-30) 6069.41,-30 cw(c6012.76,-30) 6052.82,-70.06 ; 6052.82,-70.06 cw(c6092.87,-110.11) 6092.87,-53.46 ccw(c6092.87,-110.11) 6052.82,-70.06 ; P22.17@7159.75,1819.67 cw(c7159.75,1941.4) 7073.68,1855.32 ccw(c7159.75,1941.4) P22.17@7159.75,1819.67 ; 7159.75,2035.84 P22.17@7159.75,1991.09 7210.91,1991.09 ; 9069.35,-2471 ccw(c9069.35,-2414.35) 9109.41,-2454.41 cw(c9069.35,-2414.35) 9069.35,-2471 ; 9069.35,-2471 cw(c9069.35,-2527.65) 9109.41,-2487.59 ccw(c9069.35,-2527.65) 9069.35,-2471 ; 9182.65,-2271 ccw(c9182.65,-2327.65) 9142.59,-2287.59 cw(c9182.65,-2327.65) 9182.65,-2271 ; 9182.65,-2271 cw(c9182.65,-2214.35) 9142.59,-2254.41 ccw(c9182.65,-2214.35) 9182.65,-2271 ; 6001.08,1798 cw(c6001.08,1723.75) 6053.58,1776.25 ccw(c6001.08,1723.75) 6001.08,1798 ; 6019.26,1798 ccw(c6019.26,1846.55) 6053.58,1812.22 cw(c6019.26,1846.55) 6019.26,1798 ; 7107.82,1821.18 ccw(c7159.75,1873.12) 7159.75,1799.67 cw(c7159.75,1873.12) 7107.82,1821.18 ; 8999.27,-2594.27 ccw(c9030,-2563.54) 9030,-2607 cw(c9030,-2563.54) 8999.27,-2594.27 ; P21.10@9126,-2094.46 cw(c9126,-2232.23) 9223.41,-2134.81 ccw(c9126,-2232.22) P21.10@9126,-2094.46 ; P21.10@9126,-2074.46 cw(c9126,-2163.94) 9189.27,-2100.67 ccw(c9126,-2163.94) P21.10@9126,-2074.46
  other v1: 3822,-3320 4214,-3313 3014,-3312 4683,-3312 3396,-3310 3650,-3033 6076,-3033 5915,-3026 6286,-3026 3258,-3016 3486,-2997 7632,-2903 4912,-2687 4803,-2637 5003,-2627 4967,-2509 4797,-2508 8051,-2458 804,-2395 2152,-2395 5029,-2195 4972,-2035 4824,-2030 6061,-1939 3405,-1924 9222,-1881 4802.57,-1837 5292,-1692 4122,-1639 5699,-1633.72 4902,-1595 7152,-1459 9199,-1330 2316,-1191 6179,-1096 -448,-1027 4226,-999 5210,-994 5317,-994 5264,-993 3130,-835 827,-464 9132,-175 1372,-166 2045,-166 2883,117 7280,264 7280,400 8891,475 6875,481 3287,512 4624,518 5265,524 3839,525 1387,549 2199,580 7280,606 6877,836 7280,844 2256,967 3274,991 3835,1005 1431,1016 7282,1021 4530,1023 6875,1023 5215,1037 6877,1177 7280,1198 7255,1306 7146,1309 7047,1311 6939,1313 1438,1423 4506,1427 5215,1434 3828,1441 3277,1444 2252,1525 9061,1818 3895,1886 5264,1904 3277,1922 1392,1974 2270,1978 2246,2517 1417,2529
  other v2: 5999,-1807 6133,-1806 6216,-1786 6216,-1663 6219,-1554 6101,-1452 6213,-1452 5994,-1448 5993,-1373 6094,-1373 6211,-1373 4964,-1148 4966,-1090 4966,-1040
  other v3: 2655,-2145 8675,972.87
SPEAKER_OUT: C83.2 P19.1 | length 662.3
  Top Layer w30: P19.1@-312,-1373.46 cw(c-312,-1449.43) -258.29,-1395.71 ; P19.1@-312,-1355 -299,-1355 -261,-1393 ; P19.1@-311.21,-1373.45 cw(c-308.35,-1440.34) -261,-1393 ; C83.2@-261,-1599.02 -261,-1393 ; -261,-1511.67 ccw(c-173.65,-1511.67) -235.42,-1573.43 cw(c-173.65,-1511.67) -261,-1511.67 ; -261,-1511.67 cw(c-348.35,-1511.67) -286.58,-1573.43 ccw(c-348.35,-1511.67) -261,-1511.67